# Allegro board LED_FIN.brd (continued)
## Routing (per net, layer and track width the routed paths; a pad name or vN(x,y) marks a point on that pad's centre or on a via; arc(x,y) is an arc through that point) (continued)
COL_OUT_A36: length 259.4
  TOP w0.15: D2634.1 v1(205.25,370.8) ; D2784.1 v1(205.25,360.8) ; D2964.1 v1(205.25,348.8) ; D2484.1 v1(205.25,380.8) ; D2394.1 v1(205.25,386.8) ; D3174.1 v1(205.25,334.8) ; D2604.1 v1(205.25,372.8) ; D3114.1 v1(205.25,338.8) ; D2304.1 v1(205.25,392.8) ; D3414.1 v1(205.25,318.8) ; D3234.1 v1(205.25,330.8) ; D3354.1 v1(205.25,322.8) ; D2844.1 v1(205.25,356.8) ; D2694.1 v1(205.25,366.8) ; D2724.1 v1(205.25,364.8) ; D2574.1 v1(205.25,374.8) ; D3144.1 v1(205.25,336.8) ; D2664.1 v1(205.25,368.8) ; D2454.1 v1(205.25,382.8) ; D3204.1 v1(205.25,332.8) ; D3084.1 v1(205.25,340.8) ; D2424.1 v1(205.25,384.8) ; D2754.1 v1(205.25,362.8) ; D2514.1 v1(205.25,378.8) ; D2904.1 v1(205.25,352.8) ; D2994.1 v1(205.25,346.8) ; D3264.1 v1(205.25,328.8) ; D2814.1 v1(205.25,358.8) ; D3324.1 v1(205.25,324.8) ; v1(203.95,161.1) R84.1 ; D2364.1 v1(205.25,388.8) ; D2544.1 v1(205.25,376.8) ; D3294.1 v1(205.25,326.8) ; D2934.1 v1(205.25,350.8) ; D3384.1 v1(205.25,320.8) ; D2874.1 v1(205.25,354.8) ; D3024.1 v1(205.25,344.8) ; D3054.1 v1(205.25,342.8) ; D2334.1 v1(205.25,390.8)
  BOTTOM w0.15: v1(205.25,392.8) v1(205.25,390.8) v1(205.25,388.8) v1(205.25,386.8) v1(205.25,384.8) v1(205.25,382.8) v1(205.25,380.8) v1(205.25,378.8) v1(205.25,376.8) v1(205.25,374.8) v1(205.25,372.8) v1(205.25,370.8) v1(205.25,368.8) v1(205.25,366.8) v1(205.25,364.8) v1(205.25,362.8) v1(205.25,360.8) v1(205.25,358.8) v1(205.25,356.8) v1(205.25,354.8) v1(205.25,352.8) v1(205.25,350.8) v1(205.25,348.8) v1(205.25,346.8) v1(205.25,344.8) v1(205.25,342.8) v1(205.25,340.8) v1(205.25,338.8) v1(205.25,336.8) v1(205.25,334.8) v1(205.25,332.8) v1(205.25,330.8) v1(205.25,328.8) v1(205.25,326.8) v1(205.25,324.8) v1(205.25,322.8) v1(205.25,320.8) v1(205.25,318.8) 203.95,317.5 v1(203.95,161.1)
COL_OUT_A37: length 259.4
  TOP w0.15: D2723.1 v1(203.25,364.8) ; D3143.1 v1(203.25,336.8) ; D2543.1 v1(203.25,376.8) ; D2663.1 v1(203.25,368.8) ; D3353.1 v1(203.25,322.8) ; D2993.1 v1(203.25,346.8) ; D2333.1 v1(203.25,390.8) ; D2393.1 v1(203.25,386.8) ; D3083.1 v1(203.25,340.8) ; D2603.1 v1(203.25,372.8) ; D3323.1 v1(203.25,324.8) ; D2573.1 v1(203.25,374.8) ; D2423.1 v1(203.25,384.8) ; D2753.1 v1(203.25,362.8) ; D2813.1 v1(203.25,358.8) ; D2303.1 v1(203.25,392.8) ; D3263.1 v1(203.25,328.8) ; D2903.1 v1(203.25,352.8) ; D2873.1 v1(203.25,354.8) ; D3293.1 v1(203.25,326.8) ; D3383.1 v1(203.25,320.8) ; D2843.1 v1(203.25,356.8) ; D2513.1 v1(203.25,378.8) ; D3053.1 v1(203.25,342.8) ; D2693.1 v1(203.25,366.8) ; D2483.1 v1(203.25,380.8) ; D3233.1 v1(203.25,330.8) ; D2363.1 v1(203.25,388.8) ; v1(201.95,161.1) R83.1 ; D3203.1 v1(203.25,332.8) ; D2453.1 v1(203.25,382.8) ; D3173.1 v1(203.25,334.8) ; D2933.1 v1(203.25,350.8) ; D3413.1 v1(203.25,318.8) ; D2963.1 v1(203.25,348.8) ; D3023.1 v1(203.25,344.8) ; D2783.1 v1(203.25,360.8) ; D3113.1 v1(203.25,338.8) ; D2633.1 v1(203.25,370.8)
  BOTTOM w0.15: v1(201.95,161.1) 201.95,317.5 v1(203.25,318.8) v1(203.25,320.8) v1(203.25,322.8) v1(203.25,324.8) v1(203.25,326.8) v1(203.25,328.8) v1(203.25,330.8) v1(203.25,332.8) v1(203.25,334.8) v1(203.25,336.8) v1(203.25,338.8) v1(203.25,340.8) v1(203.25,342.8) v1(203.25,344.8) v1(203.25,346.8) v1(203.25,348.8) v1(203.25,350.8) v1(203.25,352.8) v1(203.25,354.8) v1(203.25,356.8) v1(203.25,358.8) v1(203.25,360.8) v1(203.25,362.8) v1(203.25,364.8) v1(203.25,366.8) v1(203.25,368.8) v1(203.25,370.8) v1(203.25,372.8) v1(203.25,374.8) v1(203.25,376.8) v1(203.25,378.8) v1(203.25,380.8) v1(203.25,382.8) v1(203.25,384.8) v1(203.25,386.8) v1(203.25,388.8) v1(203.25,390.8) v1(203.25,392.8)
COL_OUT_A38: length 259.4
  TOP w0.15: D2332.1 v1(201.25,390.8) ; D2752.1 v1(201.25,362.8) ; D3292.1 v1(201.25,326.8) ; D2902.1 v1(201.25,352.8) ; D2512.1 v1(201.25,378.8) ; D2842.1 v1(201.25,356.8) ; D2482.1 v1(201.25,380.8) ; D2452.1 v1(201.25,382.8) ; D2992.1 v1(201.25,346.8) ; D3022.1 v1(201.25,344.8) ; D3382.1 v1(201.25,320.8) ; D3052.1 v1(201.25,342.8) ; D2932.1 v1(201.25,350.8) ; D2632.1 v1(201.25,370.8) ; D2302.1 v1(201.25,392.8) ; D3172.1 v1(201.25,334.8) ; D2962.1 v1(201.25,348.8) ; D2392.1 v1(201.25,386.8) ; D3412.1 v1(201.25,318.8) ; D2782.1 v1(201.25,360.8) ; D3142.1 v1(201.25,336.8) ; D3202.1 v1(201.25,332.8) ; D3112.1 v1(201.25,338.8) ; D3262.1 v1(201.25,328.8) ; D2722.1 v1(201.25,364.8) ; D2362.1 v1(201.25,388.8) ; v1(199.95,161.1) R82.1 ; D3322.1 v1(201.25,324.8) ; D2692.1 v1(201.25,366.8) ; D3232.1 v1(201.25,330.8) ; D2422.1 v1(201.25,384.8) ; D3082.1 v1(201.25,340.8) ; D2542.1 v1(201.25,376.8) ; D2602.1 v1(201.25,372.8) ; D2812.1 v1(201.25,358.8) ; D3352.1 v1(201.25,322.8) ; D2662.1 v1(201.25,368.8) ; D2872.1 v1(201.25,354.8) ; D2572.1 v1(201.25,374.8)
  BOTTOM w0.15: v1(199.95,161.1) 199.95,317.5 v1(201.25,318.8) v1(201.25,320.8) v1(201.25,322.8) v1(201.25,324.8) v1(201.25,326.8) v1(201.25,328.8) v1(201.25,330.8) v1(201.25,332.8) v1(201.25,334.8) v1(201.25,336.8) v1(201.25,338.8) v1(201.25,340.8) v1(201.25,342.8) v1(201.25,344.8) v1(201.25,346.8) v1(201.25,348.8) v1(201.25,350.8) v1(201.25,352.8) v1(201.25,354.8) v1(201.25,356.8) v1(201.25,358.8) v1(201.25,360.8) v1(201.25,362.8) v1(201.25,364.8) v1(201.25,366.8) v1(201.25,368.8) v1(201.25,370.8) v1(201.25,372.8) v1(201.25,374.8) v1(201.25,376.8) v1(201.25,378.8) v1(201.25,380.8) v1(201.25,382.8) v1(201.25,384.8) v1(201.25,386.8) v1(201.25,388.8) v1(201.25,390.8) v1(201.25,392.8)
COL_OUT_A39: length 259.4
  TOP w0.15: D2811.1 v1(199.25,358.8) ; D2991.1 v1(199.25,346.8) ; D3411.1 v1(199.25,318.8) ; D2751.1 v1(199.25,362.8) ; D2871.1 v1(199.25,354.8) ; D3201.1 v1(199.25,332.8) ; D3141.1 v1(199.25,336.8) ; D3111.1 v1(199.25,338.8) ; D2421.1 v1(199.25,384.8) ; D3051.1 v1(199.25,342.8) ; D3351.1 v1(199.25,322.8) ; D3231.1 v1(199.25,330.8) ; v1(197.95,161.1) R81.1 ; D2481.1 v1(199.25,380.8) ; D2601.1 v1(199.25,372.8) ; D2931.1 v1(199.25,350.8) ; D2901.1 v1(199.25,352.8) ; D2391.1 v1(199.25,386.8) ; D3261.1 v1(199.25,328.8) ; D2631.1 v1(199.25,370.8) ; D2331.1 v1(199.25,390.8) ; D2511.1 v1(199.25,378.8) ; D2691.1 v1(199.25,366.8) ; D2301.1 v1(199.25,392.8) ; D2661.1 v1(199.25,368.8) ; D2451.1 v1(199.25,382.8) ; D2781.1 v1(199.25,360.8) ; D2961.1 v1(199.25,348.8) ; D2361.1 v1(199.25,388.8) ; D2571.1 v1(199.25,374.8) ; D3081.1 v1(199.25,340.8) ; D2541.1 v1(199.25,376.8) ; D3381.1 v1(199.25,320.8) ; D2721.1 v1(199.25,364.8) ; D3321.1 v1(199.25,324.8) ; D3171.1 v1(199.25,334.8) ; D2841.1 v1(199.25,356.8) ; D3291.1 v1(199.25,326.8) ; D3021.1 v1(199.25,344.8)
  BOTTOM w0.15: v1(197.95,161.1) 197.95,317.5 v1(199.25,318.8) v1(199.25,320.8) v1(199.25,322.8) v1(199.25,324.8) v1(199.25,326.8) v1(199.25,328.8) v1(199.25,330.8) v1(199.25,332.8) v1(199.25,334.8) v1(199.25,336.8) v1(199.25,338.8) v1(199.25,340.8) v1(199.25,342.8) v1(199.25,344.8) v1(199.25,346.8) v1(199.25,348.8) v1(199.25,350.8) v1(199.25,352.8) v1(199.25,354.8) v1(199.25,356.8) v1(199.25,358.8) v1(199.25,360.8) v1(199.25,362.8) v1(199.25,364.8) v1(199.25,366.8) v1(199.25,368.8) v1(199.25,370.8) v1(199.25,372.8) v1(199.25,374.8) v1(199.25,376.8) v1(199.25,378.8) v1(199.25,380.8) v1(199.25,382.8) v1(199.25,384.8) v1(199.25,386.8) v1(199.25,388.8) v1(199.25,390.8) v1(199.25,392.8)
COL_OUT_A40: length 259.4
  TOP w0.15: D3140.1 v1(197.25,336.8) ; D3350.1 v1(197.25,322.8) ; D2390.1 v1(197.25,386.8) ; D2600.1 v1(197.25,372.8) ; D2510.1 v1(197.25,378.8) ; D2360.1 v1(197.25,388.8) ; D2450.1 v1(197.25,382.8) ; D2420.1 v1(197.25,384.8) ; D3200.1 v1(197.25,332.8) ; D3080.1 v1(197.25,340.8) ; D2840.1 v1(197.25,356.8) ; D2660.1 v1(197.25,368.8) ; D3260.1 v1(197.25,328.8) ; D2990.1 v1(197.25,346.8) ; D3320.1 v1(197.25,324.8) ; D2750.1 v1(197.25,362.8) ; D3020.1 v1(197.25,344.8) ; D2540.1 v1(197.25,376.8) ; D2780.1 v1(197.25,360.8) ; D2630.1 v1(197.25,370.8) ; D2300.1 v1(197.25,392.8) ; D3380.1 v1(197.25,320.8) ; D3050.1 v1(197.25,342.8) ; D2810.1 v1(197.25,358.8) ; D2870.1 v1(197.25,354.8) ; D2690.1 v1(197.25,366.8) ; D2480.1 v1(197.25,380.8) ; D2930.1 v1(197.25,350.8) ; D2720.1 v1(197.25,364.8) ; D3170.1 v1(197.25,334.8) ; D2330.1 v1(197.25,390.8) ; D2900.1 v1(197.25,352.8) ; D3110.1 v1(197.25,338.8) ; v1(195.95,161.1) R80.1 ; D3290.1 v1(197.25,326.8) ; D3410.1 v1(197.25,318.8) ; D2960.1 v1(197.25,348.8) ; D2570.1 v1(197.25,374.8) ; D3230.1 v1(197.25,330.8)
  BOTTOM w0.15: v1(195.95,161.1) 195.95,317.5 v1(197.25,318.8) v1(197.25,320.8) v1(197.25,322.8) v1(197.25,324.8) v1(197.25,326.8) v1(197.25,328.8) v1(197.25,330.8) v1(197.25,332.8) v1(197.25,334.8) v1(197.25,336.8) v1(197.25,338.8) v1(197.25,340.8) v1(197.25,342.8) v1(197.25,344.8) v1(197.25,346.8) v1(197.25,348.8) v1(197.25,350.8) v1(197.25,352.8) v1(197.25,354.8) v1(197.25,356.8) v1(197.25,358.8) v1(197.25,360.8) v1(197.25,362.8) v1(197.25,364.8) v1(197.25,366.8) v1(197.25,368.8) v1(197.25,370.8) v1(197.25,372.8) v1(197.25,374.8) v1(197.25,376.8) v1(197.25,378.8) v1(197.25,380.8) v1(197.25,382.8) v1(197.25,384.8) v1(197.25,386.8) v1(197.25,388.8) v1(197.25,390.8) v1(197.25,392.8)
COL_OUT_A41: length 259.4
  TOP w0.15: D2299.1 v1(195.25,392.8) ; D3079.1 v1(195.25,340.8) ; D2419.1 v1(195.25,384.8) ; D3379.1 v1(195.25,320.8) ; D2569.1 v1(195.25,374.8) ; D3019.1 v1(195.25,344.8) ; D3289.1 v1(195.25,326.8) ; D2689.1 v1(195.25,366.8) ; D3259.1 v1(195.25,328.8) ; D3139.1 v1(195.25,336.8) ; D3349.1 v1(195.25,322.8) ; D3199.1 v1(195.25,332.8) ; D2809.1 v1(195.25,358.8) ; D2869.1 v1(195.25,354.8) ; D2779.1 v1(195.25,360.8) ; D2479.1 v1(195.25,380.8) ; D2659.1 v1(195.25,368.8) ; v1(193.95,161.1) R79.1 ; D3319.1 v1(195.25,324.8) ; D2629.1 v1(195.25,370.8) ; D2539.1 v1(195.25,376.8) ; D2929.1 v1(195.25,350.8) ; D3229.1 v1(195.25,330.8) ; D3049.1 v1(195.25,342.8) ; D3109.1 v1(195.25,338.8) ; D2389.1 v1(195.25,386.8) ; D2449.1 v1(195.25,382.8) ; D3169.1 v1(195.25,334.8) ; D2839.1 v1(195.25,356.8) ; D2329.1 v1(195.25,390.8) ; D2749.1 v1(195.25,362.8) ; D2599.1 v1(195.25,372.8) ; D3409.1 v1(195.25,318.8) ; D2899.1 v1(195.25,352.8) ; D2359.1 v1(195.25,388.8) ; D2719.1 v1(195.25,364.8) ; D2959.1 v1(195.25,348.8) ; D2509.1 v1(195.25,378.8) ; D2989.1 v1(195.25,346.8)
  BOTTOM w0.15: v1(193.95,161.1) 193.95,317.5 v1(195.25,318.8) v1(195.25,320.8) v1(195.25,322.8) v1(195.25,324.8) v1(195.25,326.8) v1(195.25,328.8) v1(195.25,330.8) v1(195.25,332.8) v1(195.25,334.8) v1(195.25,336.8) v1(195.25,338.8) v1(195.25,340.8) v1(195.25,342.8) v1(195.25,344.8) v1(195.25,346.8) v1(195.25,348.8) v1(195.25,350.8) v1(195.25,352.8) v1(195.25,354.8) v1(195.25,356.8) v1(195.25,358.8) v1(195.25,360.8) v1(195.25,362.8) v1(195.25,364.8) v1(195.25,366.8) v1(195.25,368.8) v1(195.25,370.8) v1(195.25,372.8) v1(195.25,374.8) v1(195.25,376.8) v1(195.25,378.8) v1(195.25,380.8) v1(195.25,382.8) v1(195.25,384.8) v1(195.25,386.8) v1(195.25,388.8) v1(195.25,390.8) v1(195.25,392.8)
COL_OUT_A42: length 259.4
  TOP w0.15: D2388.1 v1(193.25,386.8) ; D2808.1 v1(193.25,358.8) ; D2778.1 v1(193.25,360.8) ; D2988.1 v1(193.25,346.8) ; D3078.1 v1(193.25,340.8) ; D3048.1 v1(193.25,342.8) ; v1(191.95,161.1) R78.1 ; D3348.1 v1(193.25,322.8) ; D2868.1 v1(193.25,354.8) ; D2658.1 v1(193.25,368.8) ; D3378.1 v1(193.25,320.8) ; D3108.1 v1(193.25,338.8) ; D2928.1 v1(193.25,350.8) ; D2448.1 v1(193.25,382.8) ; D2358.1 v1(193.25,388.8) ; D2508.1 v1(193.25,378.8) ; D2748.1 v1(193.25,362.8) ; D2718.1 v1(193.25,364.8) ; D2418.1 v1(193.25,384.8) ; D3198.1 v1(193.25,332.8) ; D3318.1 v1(193.25,324.8) ; D3228.1 v1(193.25,330.8) ; D2538.1 v1(193.25,376.8) ; D3018.1 v1(193.25,344.8) ; D3258.1 v1(193.25,328.8) ; D2688.1 v1(193.25,366.8) ; D2598.1 v1(193.25,372.8) ; D2628.1 v1(193.25,370.8) ; D3288.1 v1(193.25,326.8) ; D3138.1 v1(193.25,336.8) ; D2568.1 v1(193.25,374.8) ; D2898.1 v1(193.25,352.8) ; D3408.1 v1(193.25,318.8) ; D2958.1 v1(193.25,348.8) ; D2838.1 v1(193.25,356.8) ; D2328.1 v1(193.25,390.8) ; D3168.1 v1(193.25,334.8) ; D2478.1 v1(193.25,380.8) ; D2298.1 v1(193.25,392.8)
  BOTTOM w0.15: v1(191.95,161.1) 191.95,317.5 v1(193.25,318.8) v1(193.25,320.8) v1(193.25,322.8) v1(193.25,324.8) v1(193.25,326.8) v1(193.25,328.8) v1(193.25,330.8) v1(193.25,332.8) v1(193.25,334.8) v1(193.25,336.8) v1(193.25,338.8) v1(193.25,340.8) v1(193.25,342.8) v1(193.25,344.8) v1(193.25,346.8) v1(193.25,348.8) v1(193.25,350.8) v1(193.25,352.8) v1(193.25,354.8) v1(193.25,356.8) v1(193.25,358.8) v1(193.25,360.8) v1(193.25,362.8) v1(193.25,364.8) v1(193.25,366.8) v1(193.25,368.8) v1(193.25,370.8) v1(193.25,372.8) v1(193.25,374.8) v1(193.25,376.8) v1(193.25,378.8) v1(193.25,380.8) v1(193.25,382.8) v1(193.25,384.8) v1(193.25,386.8) v1(193.25,388.8) v1(193.25,390.8) v1(193.25,392.8)
COL_OUT_A43: length 259.4
  TOP w0.15: D2627.1 v1(191.25,370.8) ; D3167.1 v1(191.25,334.8) ; D3227.1 v1(191.25,330.8) ; D2417.1 v1(191.25,384.8) ; v1(189.95,161.1) R77.1 ; D2777.1 v1(191.25,360.8) ; D2687.1 v1(191.25,366.8) ; D2897.1 v1(191.25,352.8) ; D3137.1 v1(191.25,336.8) ; D3077.1 v1(191.25,340.8) ; D2657.1 v1(191.25,368.8) ; D2807.1 v1(191.25,358.8) ; D3197.1 v1(191.25,332.8) ; D3377.1 v1(191.25,320.8) ; D3257.1 v1(191.25,328.8) ; D2597.1 v1(191.25,372.8) ; D2477.1 v1(191.25,380.8) ; D3047.1 v1(191.25,342.8) ; D2357.1 v1(191.25,388.8) ; D2747.1 v1(191.25,362.8) ; D2867.1 v1(191.25,354.8) ; D2927.1 v1(191.25,350.8) ; D2957.1 v1(191.25,348.8) ; D3407.1 v1(191.25,318.8) ; D2537.1 v1(191.25,376.8) ; D2327.1 v1(191.25,390.8) ; D2987.1 v1(191.25,346.8) ; D2717.1 v1(191.25,364.8) ; D3317.1 v1(191.25,324.8) ; D2507.1 v1(191.25,378.8) ; D2447.1 v1(191.25,382.8) ; D3107.1 v1(191.25,338.8) ; D2297.1 v1(191.25,392.8) ; D3017.1 v1(191.25,344.8) ; D2567.1 v1(191.25,374.8) ; D3287.1 v1(191.25,326.8) ; D2837.1 v1(191.25,356.8) ; D2387.1 v1(191.25,386.8) ; D3347.1 v1(191.25,322.8)
  BOTTOM w0.15: v1(191.25,392.8) v1(191.25,390.8) v1(191.25,388.8) v1(191.25,386.8) v1(191.25,384.8) v1(191.25,382.8) v1(191.25,380.8) v1(191.25,378.8) v1(191.25,376.8) v1(191.25,374.8) v1(191.25,372.8) v1(191.25,370.8) v1(191.25,368.8) v1(191.25,366.8) v1(191.25,364.8) v1(191.25,362.8) v1(191.25,360.8) v1(191.25,358.8) v1(191.25,356.8) v1(191.25,354.8) v1(191.25,352.8) v1(191.25,350.8) v1(191.25,348.8) v1(191.25,346.8) v1(191.25,344.8) v1(191.25,342.8) v1(191.25,340.8) v1(191.25,338.8) v1(191.25,336.8) v1(191.25,334.8) v1(191.25,332.8) v1(191.25,330.8) v1(191.25,328.8) v1(191.25,326.8) v1(191.25,324.8) v1(191.25,322.8) v1(191.25,320.8) v1(191.25,318.8) 189.95,317.5 v1(189.95,161.1)
COL_OUT_A44: length 259.4
  TOP w0.15: D3106.1 v1(189.25,338.8) ; D3136.1 v1(189.25,336.8) ; D2596.1 v1(189.25,372.8) ; D3346.1 v1(189.25,322.8) ; D2956.1 v1(189.25,348.8) ; D2356.1 v1(189.25,388.8) ; D2536.1 v1(189.25,376.8) ; D3376.1 v1(189.25,320.8) ; D2746.1 v1(189.25,362.8) ; D2836.1 v1(189.25,356.8) ; D2506.1 v1(189.25,378.8) ; D2476.1 v1(189.25,380.8) ; D2866.1 v1(189.25,354.8) ; D2416.1 v1(189.25,384.8) ; D3286.1 v1(189.25,326.8) ; D2806.1 v1(189.25,358.8) ; D3256.1 v1(189.25,328.8) ; v1(187.95,161.1) R76.1 ; D2716.1 v1(189.25,364.8) ; D3166.1 v1(189.25,334.8) ; D3196.1 v1(189.25,332.8) ; D2656.1 v1(189.25,368.8) ; D3076.1 v1(189.25,340.8) ; D3316.1 v1(189.25,324.8) ; D2296.1 v1(189.25,392.8) ; D3046.1 v1(189.25,342.8) ; D2986.1 v1(189.25,346.8) ; D2896.1 v1(189.25,352.8) ; D2926.1 v1(189.25,350.8) ; D2626.1 v1(189.25,370.8) ; D2326.1 v1(189.25,390.8) ; D3226.1 v1(189.25,330.8) ; D2446.1 v1(189.25,382.8) ; D2776.1 v1(189.25,360.8) ; D2686.1 v1(189.25,366.8) ; D3406.1 v1(189.25,318.8) ; D2566.1 v1(189.25,374.8) ; D3016.1 v1(189.25,344.8) ; D2386.1 v1(189.25,386.8)
  BOTTOM w0.15: v1(187.95,161.1) 187.95,317.5 v1(189.25,318.8) v1(189.25,320.8) v1(189.25,322.8) v1(189.25,324.8) v1(189.25,326.8) v1(189.25,328.8) v1(189.25,330.8) v1(189.25,332.8) v1(189.25,334.8) v1(189.25,336.8) v1(189.25,338.8) v1(189.25,340.8) v1(189.25,342.8) v1(189.25,344.8) v1(189.25,346.8) v1(189.25,348.8) v1(189.25,350.8) v1(189.25,352.8) v1(189.25,354.8) v1(189.25,356.8) v1(189.25,358.8) v1(189.25,360.8) v1(189.25,362.8) v1(189.25,364.8) v1(189.25,366.8) v1(189.25,368.8) v1(189.25,370.8) v1(189.25,372.8) v1(189.25,374.8) v1(189.25,376.8) v1(189.25,378.8) v1(189.25,380.8) v1(189.25,382.8) v1(189.25,384.8) v1(189.25,386.8) v1(189.25,388.8) v1(189.25,390.8) v1(189.25,392.8)
COL_OUT_A45: length 259.4
  TOP w0.15: D2775.1 v1(187.25,360.8) ; D3225.1 v1(187.25,330.8) ; D2325.1 v1(187.25,390.8) ; D2415.1 v1(187.25,384.8) ; D2715.1 v1(187.25,364.8) ; D2985.1 v1(187.25,346.8) ; D3345.1 v1(187.25,322.8) ; D3285.1 v1(187.25,326.8) ; D2565.1 v1(187.25,374.8) ; D2295.1 v1(187.25,392.8) ; D2955.1 v1(187.25,348.8) ; D3195.1 v1(187.25,332.8) ; D3075.1 v1(187.25,340.8) ; D2505.1 v1(187.25,378.8) ; D3015.1 v1(187.25,344.8) ; D3315.1 v1(187.25,324.8) ; D3105.1 v1(187.25,338.8) ; D3375.1 v1(187.25,320.8) ; D2745.1 v1(187.25,362.8) ; D2895.1 v1(187.25,352.8) ; D2355.1 v1(187.25,388.8) ; D2535.1 v1(187.25,376.8) ; D2865.1 v1(187.25,354.8) ; D3135.1 v1(187.25,336.8) ; D2445.1 v1(187.25,382.8) ; D2835.1 v1(187.25,356.8) ; D2685.1 v1(187.25,366.8) ; D3165.1 v1(187.25,334.8) ; D3045.1 v1(187.25,342.8) ; D2805.1 v1(187.25,358.8) ; D3255.1 v1(187.25,328.8) ; D3405.1 v1(187.25,318.8) ; D2475.1 v1(187.25,380.8) ; D2625.1 v1(187.25,370.8) ; D2655.1 v1(187.25,368.8) ; D2595.1 v1(187.25,372.8) ; D2925.1 v1(187.25,350.8) ; D2385.1 v1(187.25,386.8) ; v1(185.95,161.1) R75.1
  BOTTOM w0.15: v1(185.95,161.1) 185.95,317.5 v1(187.25,318.8) v1(187.25,320.8) v1(187.25,322.8) v1(187.25,324.8) v1(187.25,326.8) v1(187.25,328.8) v1(187.25,330.8) v1(187.25,332.8) v1(187.25,334.8) v1(187.25,336.8) v1(187.25,338.8) v1(187.25,340.8) v1(187.25,342.8) v1(187.25,344.8) v1(187.25,346.8) v1(187.25,348.8) v1(187.25,350.8) v1(187.25,352.8) v1(187.25,354.8) v1(187.25,356.8) v1(187.25,358.8) v1(187.25,360.8) v1(187.25,362.8) v1(187.25,364.8) v1(187.25,366.8) v1(187.25,368.8) v1(187.25,370.8) v1(187.25,372.8) v1(187.25,374.8) v1(187.25,376.8) v1(187.25,378.8) v1(187.25,380.8) v1(187.25,382.8) v1(187.25,384.8) v1(187.25,386.8) v1(187.25,388.8) v1(187.25,390.8) v1(187.25,392.8)
COL_OUT_A46: length 259.4
  TOP w0.15: D3404.1 v1(185.25,318.8) ; D2954.1 v1(185.25,348.8) ; D2804.1 v1(185.25,358.8) ; D3104.1 v1(185.25,338.8) ; D3344.1 v1(185.25,322.8) ; D2624.1 v1(185.25,370.8) ; D3254.1 v1(185.25,328.8) ; D2684.1 v1(185.25,366.8) ; D2354.1 v1(185.25,388.8) ; D3374.1 v1(185.25,320.8) ; D2894.1 v1(185.25,352.8) ; D3314.1 v1(185.25,324.8) ; v1(183.95,161.1) R74.1 ; D3194.1 v1(185.25,332.8) ; D2504.1 v1(185.25,378.8) ; D2864.1 v1(185.25,354.8) ; D3164.1 v1(185.25,334.8) ; D2654.1 v1(185.25,368.8) ; D2774.1 v1(185.25,360.8) ; D3134.1 v1(185.25,336.8) ; D2564.1 v1(185.25,374.8) ; D2744.1 v1(185.25,362.8) ; D2534.1 v1(185.25,376.8) ; D3224.1 v1(185.25,330.8) ; D2984.1 v1(185.25,346.8) ; D3074.1 v1(185.25,340.8) ; D3044.1 v1(185.25,342.8) ; D2924.1 v1(185.25,350.8) ; D2474.1 v1(185.25,380.8) ; D2294.1 v1(185.25,392.8) ; D2714.1 v1(185.25,364.8) ; D2594.1 v1(185.25,372.8) ; D2834.1 v1(185.25,356.8) ; D2324.1 v1(185.25,390.8) ; D2384.1 v1(185.25,386.8) ; D2414.1 v1(185.25,384.8) ; D3284.1 v1(185.25,326.8) ; D3014.1 v1(185.25,344.8) ; D2444.1 v1(185.25,382.8)
  BOTTOM w0.15: v1(183.95,161.1) 183.95,317.5 v1(185.25,318.8) v1(185.25,320.8) v1(185.25,322.8) v1(185.25,324.8) v1(185.25,326.8) v1(185.25,328.8) v1(185.25,330.8) v1(185.25,332.8) v1(185.25,334.8) v1(185.25,336.8) v1(185.25,338.8) v1(185.25,340.8) v1(185.25,342.8) v1(185.25,344.8) v1(185.25,346.8) v1(185.25,348.8) v1(185.25,350.8) v1(185.25,352.8) v1(185.25,354.8) v1(185.25,356.8) v1(185.25,358.8) v1(185.25,360.8) v1(185.25,362.8) v1(185.25,364.8) v1(185.25,366.8) v1(185.25,368.8) v1(185.25,370.8) v1(185.25,372.8) v1(185.25,374.8) v1(185.25,376.8) v1(185.25,378.8) v1(185.25,380.8) v1(185.25,382.8) v1(185.25,384.8) v1(185.25,386.8) v1(185.25,388.8) v1(185.25,390.8) v1(185.25,392.8)
COL_OUT_A47: length 259.4
  TOP w0.15: D3223.1 v1(183.25,330.8) ; D2773.1 v1(183.25,360.8) ; D3403.1 v1(183.25,318.8) ; D3313.1 v1(183.25,324.8) ; D2683.1 v1(183.25,366.8) ; D3163.1 v1(183.25,334.8) ; v1(181.95,161.1) R73.1 ; D2653.1 v1(183.25,368.8) ; D2293.1 v1(183.25,392.8) ; D2443.1 v1(183.25,382.8) ; D2593.1 v1(183.25,372.8) ; D3103.1 v1(183.25,338.8) ; D2893.1 v1(183.25,352.8) ; D3133.1 v1(183.25,336.8) ; D2743.1 v1(183.25,362.8) ; D3193.1 v1(183.25,332.8) ; D2713.1 v1(183.25,364.8) ; D2323.1 v1(183.25,390.8) ; D2533.1 v1(183.25,376.8) ; D2353.1 v1(183.25,388.8) ; D2473.1 v1(183.25,380.8) ; D2923.1 v1(183.25,350.8) ; D3283.1 v1(183.25,326.8) ; D2953.1 v1(183.25,348.8) ; D2503.1 v1(183.25,378.8) ; D3373.1 v1(183.25,320.8) ; D3253.1 v1(183.25,328.8) ; D3043.1 v1(183.25,342.8) ; D3073.1 v1(183.25,340.8) ; D2803.1 v1(183.25,358.8) ; D3013.1 v1(183.25,344.8) ; D2833.1 v1(183.25,356.8) ; D3343.1 v1(183.25,322.8) ; D2623.1 v1(183.25,370.8) ; D2983.1 v1(183.25,346.8) ; D2563.1 v1(183.25,374.8) ; D2413.1 v1(183.25,384.8) ; D2863.1 v1(183.25,354.8) ; D2383.1 v1(183.25,386.8)
  BOTTOM w0.15: v1(181.95,161.1) 181.95,317.5 v1(183.25,318.8) v1(183.25,320.8) v1(183.25,322.8) v1(183.25,324.8) v1(183.25,326.8) v1(183.25,328.8) v1(183.25,330.8) v1(183.25,332.8) v1(183.25,334.8) v1(183.25,336.8) v1(183.25,338.8) v1(183.25,340.8) v1(183.25,342.8) v1(183.25,344.8) v1(183.25,346.8) v1(183.25,348.8) v1(183.25,350.8) v1(183.25,352.8) v1(183.25,354.8) v1(183.25,356.8) v1(183.25,358.8) v1(183.25,360.8) v1(183.25,362.8) v1(183.25,364.8) v1(183.25,366.8) v1(183.25,368.8) v1(183.25,370.8) v1(183.25,372.8) v1(183.25,374.8) v1(183.25,376.8) v1(183.25,378.8) v1(183.25,380.8) v1(183.25,382.8) v1(183.25,384.8) v1(183.25,386.8) v1(183.25,388.8) v1(183.25,390.8) v1(183.25,392.8)
COL_OUT_A48: length 259.4
  TOP w0.15: D2982.1 v1(181.25,346.8) ; D2802.1 v1(181.25,358.8) ; D2952.1 v1(181.25,348.8) ; D2592.1 v1(181.25,372.8) ; D3402.1 v1(181.25,318.8) ; D2562.1 v1(181.25,374.8) ; D3372.1 v1(181.25,320.8) ; D3312.1 v1(181.25,324.8) ; D3222.1 v1(181.25,330.8) ; D2502.1 v1(181.25,378.8) ; D3192.1 v1(181.25,332.8) ; D2682.1 v1(181.25,366.8) ; D3162.1 v1(181.25,334.8) ; v1(179.95,161.1) R72.1 ; D3342.1 v1(181.25,322.8) ; D2892.1 v1(181.25,352.8) ; D2382.1 v1(181.25,386.8) ; D3282.1 v1(181.25,326.8) ; D2442.1 v1(181.25,382.8) ; D2922.1 v1(181.25,350.8) ; D2742.1 v1(181.25,362.8) ; D2412.1 v1(181.25,384.8) ; D2322.1 v1(181.25,390.8) ; D3012.1 v1(181.25,344.8) ; D3132.1 v1(181.25,336.8) ; D2652.1 v1(181.25,368.8) ; D2772.1 v1(181.25,360.8) ; D3042.1 v1(181.25,342.8) ; D2292.1 v1(181.25,392.8) ; D3252.1 v1(181.25,328.8) ; D2622.1 v1(181.25,370.8) ; D2832.1 v1(181.25,356.8) ; D2352.1 v1(181.25,388.8) ; D2712.1 v1(181.25,364.8) ; D3102.1 v1(181.25,338.8) ; D2472.1 v1(181.25,380.8) ; D2862.1 v1(181.25,354.8) ; D2532.1 v1(181.25,376.8) ; D3072.1 v1(181.25,340.8)
  BOTTOM w0.15: v1(179.95,161.1) 179.95,317.5 v1(181.25,318.8) v1(181.25,320.8) v1(181.25,322.8) v1(181.25,324.8) v1(181.25,326.8) v1(181.25,328.8) v1(181.25,330.8) v1(181.25,332.8) v1(181.25,334.8) v1(181.25,336.8) v1(181.25,338.8) v1(181.25,340.8) v1(181.25,342.8) v1(181.25,344.8) v1(181.25,346.8) v1(181.25,348.8) v1(181.25,350.8) v1(181.25,352.8) v1(181.25,354.8) v1(181.25,356.8) v1(181.25,358.8) v1(181.25,360.8) v1(181.25,362.8) v1(181.25,364.8) v1(181.25,366.8) v1(181.25,368.8) v1(181.25,370.8) v1(181.25,372.8) v1(181.25,374.8) v1(181.25,376.8) v1(181.25,378.8) v1(181.25,380.8) v1(181.25,382.8) v1(181.25,384.8) v1(181.25,386.8) v1(181.25,388.8) v1(181.25,390.8) v1(181.25,392.8)
COL_OUT_A49: length 259.4
  TOP w0.15: D3401.1 v1(179.25,318.8) ; D2351.1 v1(179.25,388.8) ; D3131.1 v1(179.25,336.8) ; D3341.1 v1(179.25,322.8) ; D3161.1 v1(179.25,334.8) ; D2471.1 v1(179.25,380.8) ; D2951.1 v1(179.25,348.8) ; D2921.1 v1(179.25,350.8) ; D2831.1 v1(179.25,356.8) ; D2801.1 v1(179.25,358.8) ; D2861.1 v1(179.25,354.8) ; D2291.1 v1(179.25,392.8) ; v1(177.95,161.1) R71.1 ; D3041.1 v1(179.25,342.8) ; D2531.1 v1(179.25,376.8) ; D2321.1 v1(179.25,390.8) ; D3281.1 v1(179.25,326.8) ; D2651.1 v1(179.25,368.8) ; D2771.1 v1(179.25,360.8) ; D2621.1 v1(179.25,370.8) ; D2591.1 v1(179.25,372.8) ; D2891.1 v1(179.25,352.8) ; D2681.1 v1(179.25,366.8) ; D3371.1 v1(179.25,320.8) ; D3311.1 v1(179.25,324.8) ; D2381.1 v1(179.25,386.8) ; D2711.1 v1(179.25,364.8) ; D2411.1 v1(179.25,384.8) ; D3071.1 v1(179.25,340.8) ; D2561.1 v1(179.25,374.8) ; D3221.1 v1(179.25,330.8) ; D3101.1 v1(179.25,338.8) ; D3191.1 v1(179.25,332.8) ; D2501.1 v1(179.25,378.8) ; D3011.1 v1(179.25,344.8) ; D2441.1 v1(179.25,382.8) ; D3251.1 v1(179.25,328.8) ; D2741.1 v1(179.25,362.8) ; D2981.1 v1(179.25,346.8)
  BOTTOM w0.15: v1(179.25,392.8) v1(179.25,390.8) v1(179.25,388.8) v1(179.25,386.8) v1(179.25,384.8) v1(179.25,382.8) v1(179.25,380.8) v1(179.25,378.8) v1(179.25,376.8) v1(179.25,374.8) v1(179.25,372.8) v1(179.25,370.8) v1(179.25,368.8) v1(179.25,366.8) v1(179.25,364.8) v1(179.25,362.8) v1(179.25,360.8) v1(179.25,358.8) v1(179.25,356.8) v1(179.25,354.8) v1(179.25,352.8) v1(179.25,350.8) v1(179.25,348.8) v1(179.25,346.8) v1(179.25,344.8) v1(179.25,342.8) v1(179.25,340.8) v1(179.25,338.8) v1(179.25,336.8) v1(179.25,334.8) v1(179.25,332.8) v1(179.25,330.8) v1(179.25,328.8) v1(179.25,326.8) v1(179.25,324.8) v1(179.25,322.8) v1(179.25,320.8) v1(179.25,318.8) 177.95,317.5 v1(177.95,161.1)